# Altium PCB EPS_v1.PcbDoc (part 3 of 4)
Units mil, origin at the board's own origin, x right, y up, seen from the top; angles counter-clockwise.
Board outline 3775.2 x 3550 mil, 6 copper layers (Top Layer, GND1, PWR, Signal, GND2, Bottom Layer), stack 55.912 mil thick; 413 components, 280 nets, 1452 pads, 325 vias.
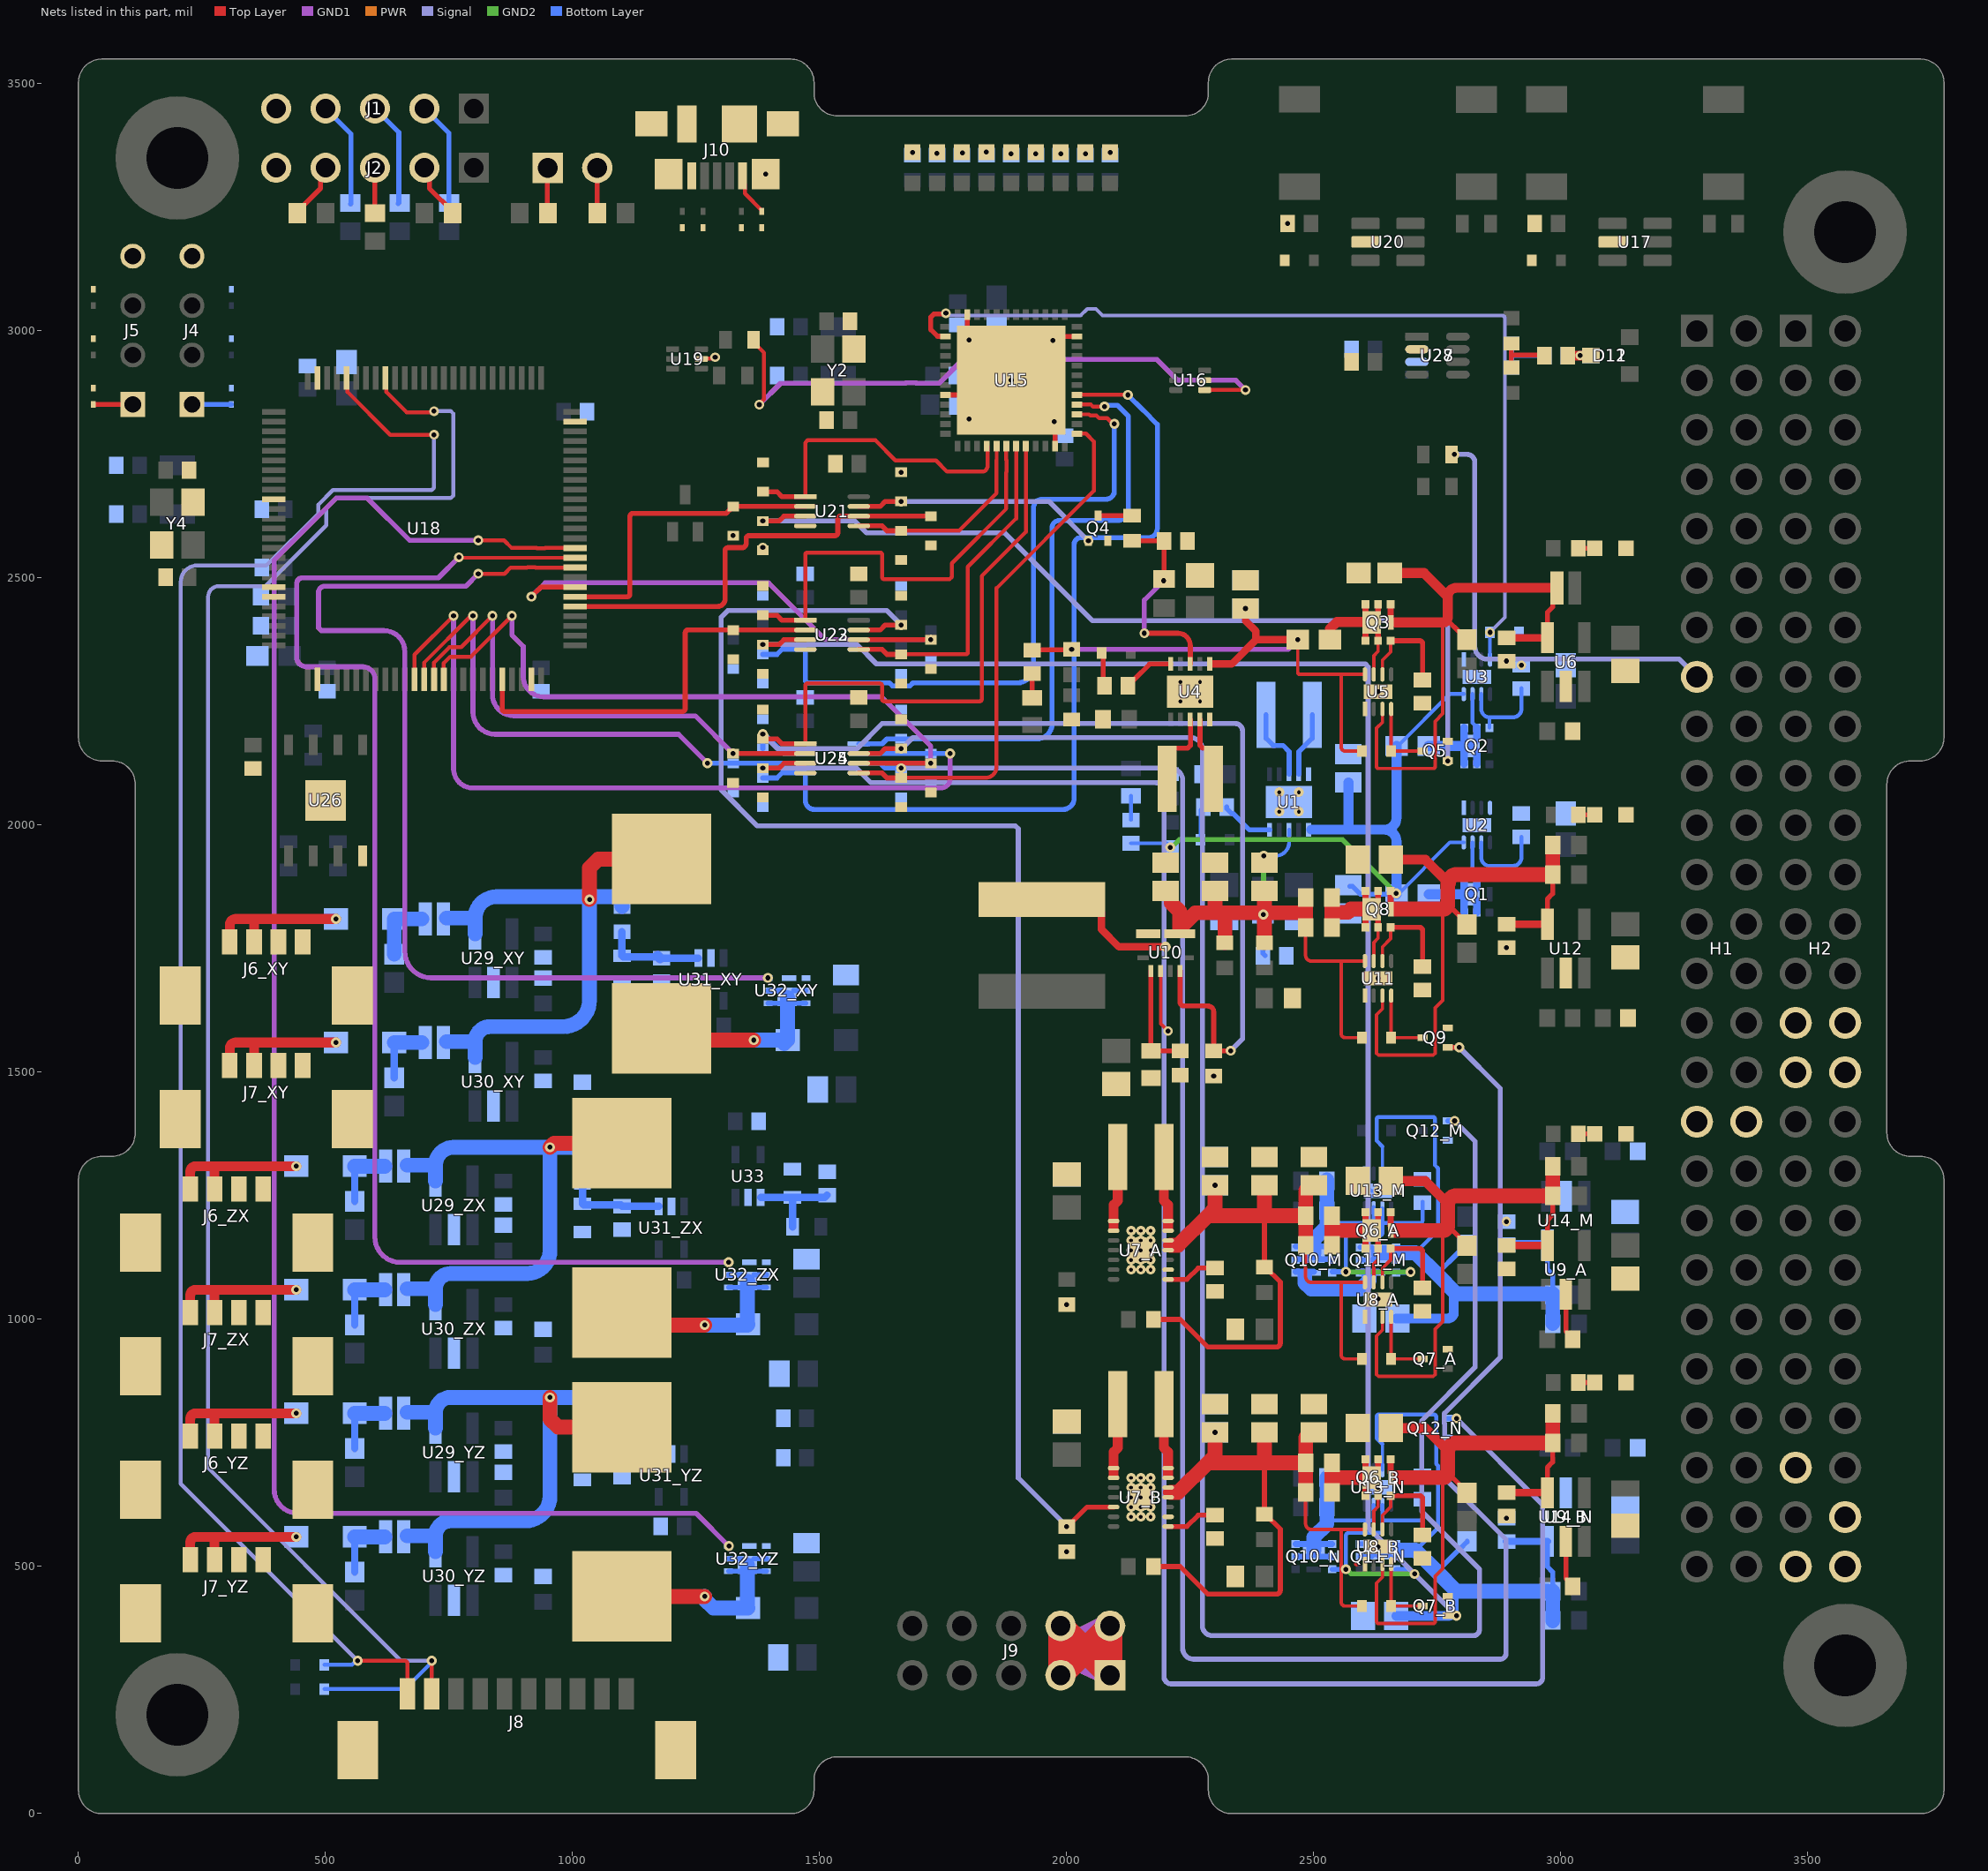
[diagram p7: the nets of this part, all layers, seen from the top]

## Via types
v1: diameter 20, hole 10, Top Layer to Signal, 73 vias
v2: diameter 20, hole 10, Top Layer to Bottom Layer, 52 vias
v3: diameter 20, hole 10, Top Layer to GND1, 48 vias
v4: diameter 19.68, hole 7.87, Top Layer to Bottom Layer, 38 vias
v5: diameter 20, hole 10, Signal to Bottom Layer, 27 vias
v6: diameter 19, hole 10, Top Layer to GND1, 20 vias
v7: diameter 20, hole 10, PWR to Bottom Layer, 18 vias
v8: diameter 20, hole 10, Top Layer to GND2, 12 vias
v9: diameter 20, hole 10, Top Layer to PWR, 11 vias
v10: diameter 20, hole 10, GND2 to Bottom Layer, 10 vias
v11: diameter 20, hole 10, GND1 to Bottom Layer, 9 vias
v12: diameter 19, hole 10, GND2 to Bottom Layer, 4 vias
v13: diameter 19, hole 10, Top Layer to Bottom Layer, 3 vias

## Nets (pads, with @x,y where several pads share a name; then routed paths per layer and width w, separated by ;. In a path a pad name is that pad's centre, name@x,y a point inside that pad or via, vN(x,y) a via of type N, cw(c..) or ccw(c..) an arc to the next point about the centre after c; other vN are vias at no path point) (continued)
EN_3V3_1_SR: R88.2 U15.27 U22.5 | length 1364.7
  Top Layer w8: U15.27@2020.47,2831.1 2045.37,2831.1 2047.55,2828.92 2059.9,2828.92 2065.35,2823.47 2081.55,2823.47 2093.17,2811.85 v2(2096.42,2811.85)
  Bottom Layer w10: R88.2@1385,2345.47 1413.64,2345.47 1423.64,2355.47 U22.5@1470.83,2355.47 1470.83,2293.74 ccw(c1476.69,2293.74) 1476.69,2287.89 1641.06,2287.89 1647.18,2281.76 1682.82,2281.76 1688.94,2287.89 1900.52,2287.89 ccw(c1900.52,2320.09) 1932.72,2320.09 1932.72,2641.35 cw(c1950.92,2641.35) 1950.92,2659.55 2079.57,2659.55 ccw(c2079.57,2676.39) 2096.42,2676.39 v2(2096.42,2811.85)
EN_3V3_2: Q7_B.1 R97.2 U23.3 | length 3345
  Top Layer w10: v1(1385,2365.16) 1417.57,2365.16 1427.57,2375.16 U23.3@1470.83,2375.16 ; Q7_B.1@2770.98,400.31 v1(2788.56,400.31)
  Signal w10: v1(1385,2365.16) 1575.81,2365.16 1614.83,2326.14 2604.08,2326.14 2609.94,2320.28 2609.94,578.93 v1(2788.56,400.31)
EN_3V3_2_BUCK: R25_B.2 R96.2 U7_B.12 U23.7 | length 3016.6
  Top Layer w10: U23.7@1579.17,2394.84 1622.43,2394.84 1632.43,2404.84 v1(1665,2404.84) ; R25_B.2@2002.08,580.94 2041.45,620.31 U7_B.12@2094.88,620.31
  Signal w10: v1(1665,2404.84) 1635.63,2434.21 1314.23,2434.21 1300.59,2420.57 1300.59,2071.69 1373.67,1998.6 1895.94,1998.6 1901.8,1992.74 1901.8,679.14 v1(2000,580.94)
EN_3V3_2_BUCK_EPS: R93.2 U18.46 U23.2 | length 836.3
  Top Layer w10: U18.46@857.48,2294.88 857.48,2235.66 ccw(c863.34,2235.66) 863.34,2229.8 1221.98,2229.8 ccw(c1221.98,2235.66) 1227.83,2235.66 1227.83,2388.98 cw(c1233.69,2388.98) 1233.69,2394.84 R93.2@1325,2394.84 ; R93.2@1324.59,2394.84 U23.2@1470.83,2394.84
EN_3V3_2_BUCK_SR: R92.2 U15.18 U23.1 | length 884.6
  Top Layer w8: U23.1@1470.83,2414.53 1470.83,2546.88 cw(c1475.52,2546.88) 1475.52,2551.57 1621.67,2551.57 cw(c1621.67,2546.88) 1626.36,2546.88 1626.36,2502.05 ccw(c1631.05,2502.05) 1631.05,2497.36 1762.64,2497.36 1767.32,2502.05 1767.32,2529.72 1877.76,2640.16 1877.76,2714.1 1877.93,2714.27 1877.93,2738.43 1877.76,2738.6 U15.18@1877.76,2767.13
  Top Layer w10: R92.2@1385,2424.53 1413.64,2424.53 1423.64,2414.53 U23.1@1470.83,2414.53
EN_3V3_2_EPS: R95.2 U18.57 U23.6 | length 1110.8
  Top Layer w10: v3(916.54,2462.2) 936.22,2481.89 U18.57@1005.12,2481.89 ; U23.6@1579.17,2375.16 R95.2@1725.41,2375.16
  GND1 w10: v3(916.54,2462.2) 944.64,2490.31 1046.61,2490.31 1396.6,2490.31 1511.75,2375.16 v3(1725,2375.16)
EN_3V3_2_SR: R94.2 U15.19 U23.5 | length 684.9
  Top Layer w8: R94.2@1665,2345.47 1795.2,2345.47 ccw(c1795.2,2350.16) 1799.89,2350.16 1799.89,2522.75 1897.44,2620.3 U15.19@1897.44,2767.13
  Top Layer w10: U23.5@1579.17,2355.47 1626.36,2355.47 1636.36,2345.47 R94.2@1665,2345.47
EN_5V: Q9.1 R103.2 U24.3 | length 4485.6
  Top Layer w10: Q9.1@2770.98,1550.31 v1(2794.23,1550.31)
  Signal w10: v5(1665,2115.16) 2210,2115.16 cw(c2210,2090.51) 2234.65,2090.51 2234.65,334.35 ccw(c2256.59,334.35) 2256.59,312.4 2876.96,312.4 ccw(c2876.96,324.51) 2889.06,324.51 2889.06,554.52 2764.56,679.03 2764.56,789.04 2764.06,789.54 2764.06,809.83 2876.96,922.73 2876.96,1467.59 v1(2794.23,1550.31)
  Bottom Layer w10: U24.3@1579.17,2125.16 1622.43,2125.16 1632.43,2115.16 v5(1665,2115.16)
EN_5V_BOOST: R36.1 R102.2 U10.7 U24.7 | length 2056.3
  Top Layer w10: U10.7@2229.53,1704.72 2229.53,1641.85 ccw(c2237.42,1641.85) 2237.42,1633.96 2285.65,1633.96 cw(c2285.65,1622.24) 2297.36,1622.24 R36.1@2297.36,1543.46 v1(2331.81,1543.46)
  Signal w10: v5(1385,2184.37) 1414.53,2154.84 1575.81,2154.84 1626.34,2205.37 2341.17,2205.37 cw(c2341.17,2190.83) 2355.71,2190.83 2355.71,1567.36 v1(2331.81,1543.46)
  Bottom Layer w10: R102.2@1385,2154.84 v5(1385,2184.37) 1387.71,2184.37 1392.89,2179.18 1393.23,2179.18 1427.57,2144.84 U24.7@1470.83,2144.84
EN_5V_BOOST_EPS: R99.2 U18.37 U24.2 | length 1742
  Top Layer w8: U18.37@680.32,2294.88 680.32,2344.82 v3(759.06,2423.56)
  GND1 w10: v3(759.06,2423.56) 759.06,2114.37 ccw(c798.43,2114.37) 798.43,2075 1744.64,2075 ccw(c1744.64,2094.34) 1763.98,2094.34 v11@1763.98,2143.87
  Bottom Layer w10: U24.2@1579.17,2144.84 R99.2@1725,2144.84 v11@1762.68,2144.84
  other v11: 1763.98,2144.84
EN_5V_BOOST_SR: R98.2 U15.28 U24.1 | length 1289.6
  Top Layer w8: U15.28@2020.47,2850.79 2049.17,2850.79 2052.99,2846.97 v2(2076.38,2846.97)
  Bottom Layer w10: U24.1@1579.17,2164.53 1626.36,2164.53 1636.36,2174.53 R98.2@1665,2174.53 1939.8,2174.53 ccw(c1939.8,2205.13) 1970.4,2205.13 1970.4,2601.77 cw(c1985.15,2601.77) 1985.15,2616.52 2102.52,2616.52 ccw(c2102.52,2638.81) 2124.8,2638.81 2124.8,2827.14 2102.38,2849.56 2094.38,2849.56 2094.09,2849.27 2078.67,2849.27 v2(2076.38,2846.97)
EN_5V_EPS: R101.2 U18.38 U24.6 | length 1088.3
  Top Layer w5: v3@792.42,2421.61 794.37,2423.56 v3(798.43,2423.56)
  Top Layer w8: U18.38@700,2294.88 700,2329.19 v3@792.42,2421.61
  GND1 w10: v3@798.42,2423.03 798.42,2229.04 ccw(c843.65,2229.04) 843.65,2183.8 1214.38,2183.8 v11(1273.02,2125.16)
  Bottom Layer w10: v11@1273.11,2125.16 U24.6@1470.83,2125.16
EN_5V_SR: R100.2 U15.29 U24.5 | length 1811.4
  Top Layer w8: U15.29@2020.47,2870.47 v1(2123.62,2870.47)
  Bottom Layer w10: R100.2@1385,2095.47 1413.64,2095.47 1423.64,2105.47 U24.5@1470.83,2105.47 1470.83,2050.2 ccw(c1489.27,2050.2) 1489.27,2031.76 1992.23,2031.76 ccw(c1992.23,2054.7) 2015.17,2054.7 2015.17,2568.57 cw(c2028.19,2568.57) 2028.19,2581.59 2164.85,2581.59 ccw(c2164.85,2599.95) 2183.22,2599.95 2183.22,2810.92 2154.23,2839.91 ; v1(2123.62,2870.47) 2154.18,2839.91
  other v5: 2123.62,2870.47
EN_MCU_3V3: Q5.1 R85.2 U21.3 | length 1841.1
  Top Layer w10: v1(1385,2615.16) 1417.57,2615.16 1427.57,2625.16 U21.3@1470.83,2625.16 ; Q5.1@2770.98,2130.31 v1(2771.4,2129.92)
  Signal w10: v1@1380.84,2615.16 v1(1385,2615.16) 1571.21,2615.16 1595.21,2591.16 1874.56,2591.16 2051.95,2413.77 2754.56,2413.77 cw(c2754.56,2396.93) 2771.4,2396.93 v1(2771.4,2129.92)
EN_MCU_3V3_EPS: R83.2 U18.55 U21.6 | length 882.9
  Top Layer w10: U18.55@1005.12,2442.52 1293.72,2442.52 ccw(c1293.72,2457.3) 1308.5,2457.3 1308.5,2555.59 cw(c1314.36,2555.59) 1314.36,2561.44 1342.82,2561.44 ccw(c1342.82,2569.94) 1351.31,2569.94 1351.31,2579.77 cw(c1357.17,2579.77) 1357.17,2585.63 1530.79,2585.63 ccw(c1530.79,2591.49) 1536.64,2591.49 1536.64,2619.3 cw(c1542.5,2619.3) 1542.5,2625.16 U21.6@1579.17,2625.16 R83.2@1725.41,2625.16
EN_MCU_3V3_SR: R82.2 U15.17 U21.5 | length 410
  Top Layer w7.5: 1858.07,2738.43 U15.17@1858.07,2767.13
  Top Layer w8: R82.2@1665,2595.47 1781.74,2595.47 1858.07,2671.8 1858.07,2738.43
  Top Layer w10: U21.5@1579.17,2605.47 1626.36,2605.47 1636.36,2595.47 R82.2@1665,2595.47
EN_MCU_BUCK: Q4.1 R84.2 U21.7 | length 501.8
  Top Layer w10: U21.7@1579.17,2644.84 1622.43,2644.84 1632.43,2654.84 v1(1665,2654.84)
  Signal w10: v1(1665,2654.84) 1776.16,2654.84 1964.18,2654.84 v1(2043.84,2575.18)
EN_MCU_BUCK_EPS: R81.2 U18.56 U21.2 | length 636.2
  Top Layer w10: U18.56@1005.12,2462.2 1110.24,2462.2 ccw(c1110.24,2468.06) 1116.1,2468.06 1116.1,2624.84 cw(c1121.96,2624.84) 1121.96,2630.7 1310.86,2630.7 1318.19,2638.03 1318.19,2640 1323.03,2644.84 U21.2@1470.83,2644.84
EN_MCU_BUCK_SR: R80.2 U15.16 U21.1 | length 644.1
  Top Layer w8: U21.1@1470.83,2664.53 1470.83,2773.94 1475.52,2778.62 1612.63,2778.62 1653.46,2737.8 1735.28,2737.8 1757.88,2715.2 1828.71,2715.2 ccw(c1828.71,2726.06) 1839.57,2726.06 1839.57,2765.94 U15.16@1838.39,2767.13
  Top Layer w10: R80.2@1385,2674.53 1413.64,2674.53 1423.64,2664.53 U21.1@1470.83,2664.53
EN_UNREG1: Q12_M.1 R108.2 U25.7 | length 4231.9
  Top Layer w10: U25.7@1579.17,2144.84 1622.43,2144.84 1632.43,2154.84 v1(1665,2154.84)
  Signal w10: v1(1665,2154.84) 1666.5,2154.84 1688.8,2177.14 2250.39,2177.14 cw(c2250.39,2152.8) 2274.72,2152.8 2274.72,380 ccw(c2294.72,380) 2294.72,360 2822.6,360 ccw(c2822.6,372.78) 2835.39,372.78 2835.39,494.62 2718.1,611.91 2718.1,794.89 2826.2,902.99 2826.2,1360.38 v5(2784.92,1401.65)
  Bottom Layer w10: Q12_M.1@2770.98,1401.65 v5@2788.56,1401.65
EN_UNREG1_EPS: R105.2 U18.39 U25.2 | length 1243.5
  Top Layer w8: U18.39@719.68,2294.88 719.68,2329.08 751,2360.39 774.63,2360.39 v3(837.8,2423.56)
  Top Layer w10: v3(1324.59,2144.84) U25.2@1470.83,2144.84
  GND1 w10: v3(837.8,2423.56) 837.8,2264.4 ; v3(1324.59,2144.84) 1248.23,2221.2 881,2221.2 ; 837.8,2264.4 ccw(c881,2264.4) 881,2221.2 ; 837.8,2264.4 ccw(c881,2264.4) 881,2221.2 ; 837.8,2264.4 ccw(c881,2264.4) 881,2221.2 ; 837.8,2264.4 ccw(c881,2264.4) 881,2221.2
EN_UNREG1_SR: R104.2 U15.20 U25.1 | length 1151.7
  Top Layer w8: U25.1@1470.83,2164.53 1470.83,2282.2 cw(c1475.52,2282.2) 1475.52,2286.89 1621.67,2286.89 cw(c1621.67,2282.2) 1626.36,2282.2 1626.36,2255 ccw(c1631.05,2255) 1631.05,2250.32 1823.19,2250.32 ccw(c1823.19,2255) 1827.87,2255 1827.87,2503.88 1917.13,2593.13 U15.20@1917.13,2767.13
  Top Layer w10: R104.2@1385,2174.53 1413.64,2174.53 1423.64,2164.53 U25.1@1470.83,2164.53
EN_UNREG2: Q12_N.1 R109.2 U25.3 | length 4110.9
  Top Layer w10: v1(1385,2115.16) 1417.57,2115.16 1427.57,2125.16 U25.3@1470.83,2125.16
  Signal w10: v1(1385,2115.16) 1574.6,2115.16 1603.97,2085.79 2178.71,2085.79 cw(c2178.71,2067.85) 2196.65,2067.85 2196.65,277.37 ccw(c2211.53,277.37) 2211.53,262.5 2950.11,262.5 ccw(c2950.11,275.44) 2963.06,275.44 2963.06,625.19 v5(2788.56,799.68)
  Bottom Layer w10: Q12_N.1@2770.98,799.68 v5(2788.56,799.68)
EN_UNREG2_EPS: R107.2 U18.40 U25.6 | length 1413
  Top Layer w8: U18.40@739.37,2294.88 739.37,2327.75 752.45,2340.84 794.44,2340.84 v3(877.17,2423.56)
  Top Layer w10: U25.6@1579.17,2125.16 R107.2@1725.41,2125.16
  GND1 w10: v3(877.17,2423.56) 877.17,2384.66 900.1,2361.73 900.1,2300.97 ccw(c941.37,2300.97) 941.37,2259.7 1046.61,2259.7 1624.88,2259.7 1725,2159.58 v3(1725,2125.16)
EN_UNREG2_SR: R106.2 U15.25 U25.5 | length 1074.2
  Top Layer w8: R106.2@1665,2095.47 1834.89,2095.47 ccw(c1834.89,2118.66) 1858.07,2118.66 1858.07,2479.49 2054.62,2676.04 2054.62,2776.21 2046.91,2783.92 2046.91,2784.3 2039.2,2792.01 U15.25@2022.43,2792.01
  Top Layer w10: U25.5@1579.17,2105.47 1626.36,2105.47 1636.36,2095.47 R106.2@1665,2095.47
EPS_2_OBC: H1.15 R66.1 | length 902
  Signal w10: v1(2784.45,2750) 2810.1,2750 cw(c2810.1,2734.35) 2825.75,2734.35 2825.75,2361.48 ccw(c2851.23,2361.48) 2851.23,2336 3239.2,2336 H1.15@3275.2,2300
EPS_2_SR: R65.1 U16.1 | length 1274.4
  Top Layer w8: R65.1@1366.32,2981.9 1366.32,2976.98 1387.26,2956.04 1387.26,2861.47 1377.81,2852.03 v3(1377.81,2850.79) ; U16.1@2279.13,2880.31 v3(2361.73,2880.31)
  GND1 w10: v3(1377.81,2850.79) 1421.12,2894.09 1673.82,2894.09 1674.69,2894.97 1694.99,2894.97 1695.51,2894.45 1695.87,2894.09 1741.81,2894.09 1789.92,2942.2 2049.17,2942.2 2182.35,2942.2 2224.55,2900 2342.04,2900 v3(2361.73,2880.31)
GND: C1.1 C2.1 C3.2 C6.2 C7.2 C8.2 C9.2 C10.2 C11.2 C12.1 C13.1 C14.2 C17.2 C18.2 C19.2 C20.2 C21.2 C22.1 C23_A.1 C23_B.1 C24_A.1 C24_B.1 C25_A.2 C25_B.2 C26_A.2 C26_B.2 C27_A.2 C27_B.2 C28_A.2 C28_B.2 C29_A.2 C29_B.2 C30_A.2 C30_B.2 C31_A.1 C31_B.1 C32_A.2 C32_B.2 C33_A.1 C33_B.1 C34.1 C35.1 C36.1 C37.2 C38.2 C39.2 C40.2 C41.1 C42.2 C43.1 C44_M.2 C44_N.2 C45_M.1 C45_N.1 C46_M.2 C46_N.2 C47_M.1 C47_N.1 C48.2 C49.2 C50.2 C51.1 C52.2 C53.2 C54.2 C55.2 C56.2 C57.2 C58.2 C59.2 C60.2 C61.2 C62.2 C63.2 C64.2 C65.2 C66.2 C67.2 C68.2 C69.2 C70.2 C71.2 C72.1 C73.1 C74.1 C75.1 C77.1 C78.2 C79.2 C80.2 C81.2 C82.2 C83_XY.2 C83_YZ.2 C83_ZX.2 C85_XY.2 C85_YZ.2 C85_ZX.2 C87_XY.2 C87_YZ.2 C87_ZX.2 C88.2 C89.2 C90.2 C91.2 C92.2 C93.2 C94.2 C95.2 C96.2 C97.2 C98.2 C104_XY.2 C104_YZ.2 C104_ZX.2 D6.2 D7.2 D8.2 D10.1 D11.3 D12.3 D17.2 D18.2 D19.2 D20.2 D21.2 D22.2 D23.2 D25.1 D26.1 D27.1 H1.33 H1.34 H2.29 H2.30 H2.31 H2.32 H2.50 H2.52 J1.5 J2.5 J4.4 J5.4 J6_XY.3 J6_XY.4 J6_XY.5 J6_XY.6 J6_YZ.3 J6_YZ.4 J6_YZ.5 J6_YZ.6 J6_ZX.3 J6_ZX.4 J6_ZX.5 J6_ZX.6 J7_XY.3 J7_XY.4 J7_XY.5 J7_XY.6 J7_YZ.3 J7_YZ.4 J7_YZ.5 J7_YZ.6 J7_ZX.3 J7_ZX.4 J7_ZX.5 J7_ZX.6 J8.11 J8.12 J9.1 J9.2 J9.3 J9.4 J10.5 J10.6 J10.7 J10.8 J10.9 J10.10 J10.11 Q4.2 Q5.2 Q7_A.2 Q7_B.2 Q9.2 Q12_M.2 Q12_N.2 R2.1 R5.1 R9.2 R12.1 R15.1 R24.2 R25_A.1 R25_B.1 R27_A.1 R27_B.1 R35_A.2 R35_B.2 R36.2 R37.1 R39.1 R48.2 R57_M.2 R57_N.2 R60.1 R67.1 R80.1 R81.1 R82.1 R83.1 R84.1 R85.1 R86.1 R87.1 R88.1 R89.1 R90.1 R91.1 R92.1 R93.1 R94.1 R95.1 R96.1 R97.1 R98.1 R99.1 R100.1 R101.1 R102.1 R103.1 R104.1 R105.1 R106.1 R107.1 R108.1 R109.1 R119_XY.2 R119_YZ.2 R119_ZX.2 R122_XY.2 R122_YZ.2 R122_ZX.2 R124_XY.2 R124_YZ.2 R124_ZX.2 R126.2 U1.5 U1.11 U2.1 U2.4 U2.9 U3.1 U3.9 U4.5 U4.11 U5.1 U5.9 U6.2 U7_A.2 U7_A.15 U7_B.2 U7_B.15 U8_A.1 U8_A.9 U8_B.1 U8_B.9 U9_A.2 U9_B.2 U10.1 U10.5 U11.1 U11.9 U12.2 U13_M.1 U13_M.9 U13_N.1 U13_N.9 U14_M.2 U14_N.2 U15.8 U15.23 U15.35 U15.47 U15.49 U16.2 U17.2 U18.10 U18.19 U18.20 U18.27 U18.49 U18.74 U18.99 U19.2 U20.2 U21.4 U22.4 U23.4 U24.4 U25.4 U26.4 U26.9 U27.2 U28.2 U29_XY.2 U29_YZ.2 U29_ZX.2 U30_XY.2 U30_YZ.2 U30_ZX.2 U31_XY.2 U31_YZ.2 U31_ZX.2 U32_XY.4 U32_XY.7 U32_YZ.4 U32_YZ.7 U32_ZX.4 U32_ZX.7 U33.2 Y2.2 Y2.4 Y4.2 Y4.4 | length 2955.1
  Top Layer w7.5: U10.5@2190.16,1704.72 2190.16,1598.25 v6(2205.16,1583.25)
  Top Layer w8: U19.2@1260.61,2943.43 1260.89,2943.7 1282.76,2943.7 1285.61,2946.56 v13(1288.59,2946.56)
  Top Layer w10: U15.8@1754.73,2870.47 1858.07,2870.47 v6(1887.6,2900) ; U15.47@1799.02,3032.87 1799.02,2985.53 v6(1802.64,2981.9) ; v6(1971.78,2980.78) 1979.58,2988.58 U15.35@2020.47,2988.58 ; v6(1974.82,2816.2) 1976.18,2814.84 U15.23@1976.18,2767.13 ; U9_B.2@3010,550.79 3010,475.81 3023.82,461.99 R35_B.2@3023.82,460 ; U9_A.2@3010,1050.79 3010,975.81 3023.82,961.99 R35_A.2@3023.82,960
  Top Layer w20: C82.2@3013.62,2950 D12.3@3060.63,2950
  Top Layer w50: J9.3@1987.6,280 J9.2@2087.6,380 J9.1@2087.6,280 J9.4@1987.6,380 J9.3@1987.6,280
  GND1 w50: J9.3@1987.6,280 1987.6,330 ; J9.4@1987.6,380 1987.6,330 ; J9.1@2087.6,280 2081.69,285.91 1987.6,330 ; J9.2@2087.6,380 1987.6,330
  GND2 w50: J9.3@1987.6,280 1987.6,330 ; J9.4@1987.6,380 1987.6,330 ; J9.1@2087.6,280 2081.69,285.91 1987.6,330 ; J9.2@2087.6,380 1987.6,330
  PWR w50: J9.3@1987.6,280 1987.6,330 ; J9.4@1987.6,380 1987.6,330 ; J9.1@2087.6,280 2081.69,285.91 1987.6,330 ; J9.2@2087.6,380 1987.6,330
  Signal w50: J9.3@1987.6,280 1987.6,330 ; J9.4@1987.6,380 1987.6,330 ; J9.1@2087.6,280 2081.69,285.91 1987.6,330 ; J9.2@2087.6,380 1987.6,330
  Bottom Layer w7.5: U13_N.1@2603.43,694.96 2603.51,694.87 2603.51,677.55 2604.81,676.25 2604.81,670.82 2615.63,660 v12(2630,660) ; U13_M.1@2603.43,1294.96 2603.51,1294.87 2603.51,1277.55 2604.81,1276.25 2604.81,1270.82 2615.63,1260 v12(2630,1260)
  Bottom Layer w10: C80.2@3013.62,2950 D11.3@3060.63,2950
  Bottom Layer w50: J9.3@1987.6,280 1987.6,330 ; J9.4@1987.6,380 1987.6,330 ; J9.1@2087.6,280 2081.69,285.91 1987.6,330 ; J9.2@2087.6,380 1987.6,330
  other v4: 2130.32,600.63 2150,600.63 2169.68,600.63 2130.32,620.31 2150,620.31 2169.68,620.31 2130.32,640 2150,640 2169.68,640 2130.32,659.68 2150,659.68 2169.68,659.68 2130.32,679.37 2150,679.37 2169.68,679.37 2130.32,1100.63 2150,1100.63 2169.68,1100.63 2130.32,1120.31 2150,1120.31 2169.68,1120.31 2130.32,1140 2150,1140 2169.68,1140 2130.32,1159.68 2150,1159.68 2169.68,1159.68 2130.32,1179.37 2150,1179.37 2169.68,1179.37 2430.31,2027.22 2469.68,2027.22 2430.31,2066.59 2469.68,2066.59 2230.31,2250.32 2269.68,2250.32 2230.31,2289.69 2269.68,2289.69
  other v6: 2000,529.7 2630,540 2000,1029.7 2630,1041.34 2297.36,1492.22 2630,1690 2890,1751.97 2630,2270 2890,2331.97 1385,2561.63 1325,2585.79 1665,2713.9 1802.64,2821.54 2447.24,3217.4 1390.43,3317.4
  other v12: 2890,1198.03 2920,2323.62
  other v13: 2890,598.03 3038.98,2950
I2C1_SCL: J8.2 R128.1 U18.92 | length 3641.5
  Top Layer w8: U18.92@621.26,2905.12 623.04,2903.34 623.04,2876.53 664.06,2835.5 717.59,2835.5 v1(719.68,2837.59) ; J8.2@714.76,242.39 v2(714.76,309.4)
  Signal w8: v2(714.76,309.4) 652.47,309.4 262.5,699.37 262.5,2462.2 cw(c283.56,2462.2) 283.56,2483.26 325.83,2483.26 378.34,2483.26 501.69,2606.61 501.69,2641.73 521.75,2661.78 753.61,2661.78 758.3,2666.47 758.3,2832.9 753.61,2837.59 v1(719.68,2837.59)
  Bottom Layer w8: R128.1@497.77,251.79 660.39,251.79 714.76,306.15 v2(714.76,309.4)
I2C1_SDA: J8.1 R129.1 U18.96 | length 3521.6
  Top Layer w8: U18.96@542.52,2905.12 544.3,2903.34 544.3,2876.53 631.02,2789.8 v1(719.68,2789.8) ; v2(565.15,309.4) 659.65,309.4 cw(c659.65,303.51) 665.54,303.51 J8.1@665.54,242.39
  Signal w8: v2(565.15,309.4) 207.1,667.45 207.1,2492.1 cw(c240.39,2492.1) 240.39,2525.39 325.83,2525.39 380.2,2525.39 485.69,2630.88 485.69,2648.36 515.12,2677.78 715,2677.78 719.68,2682.47 v1(719.68,2789.8)
  Bottom Layer w8: R129.1@497.77,301 497.97,301.2 553.7,301.2 561.9,309.4 v2(565.15,309.4)
KS_OPEN: H2.51
Mppt_PWM1: U18.59 U32_XY.3 | length 2187.3
  Top Layer w8: v1(809.02,2508.62) 862.3,2508.62 874.94,2521.26 907.94,2521.26 908.25,2521.57 924.82,2521.57 925.13,2521.26 U18.59@1005.12,2521.26
  GND1 w10: v1(809.02,2508.62) 783.66,2483.26 498.14,2483.26 ccw(c498.14,2470.9) 485.78,2470.9 485.78,2399.48 491.64,2393.62 617.98,2393.62 cw(c617.98,2351.2) 660.4,2351.2 660.4,1744.75 ccw(c714.15,1744.75) 714.15,1691 1392.8,1691 v11@1394.7,1689.1
  other v11: 1395.1,1691
Mppt_PWM2: U18.60 U32_ZX.3 | length 2794.6
  Top Layer w8: v1(770,2542) 771.06,2540.94 U18.60@1005.12,2540.94
  GND1 w10: v1(770,2542) 728.26,2500.26 453.03,2500.26 ccw(c453.03,2489.01) 441.78,2489.01 441.78,2339.46 ccw(c460.77,2339.46) 460.77,2320.47 575.33,2320.47 cw(c575.33,2296.1) 599.7,2296.1 599.7,1167.1 ccw(c651.6,1167.1) 651.6,1115.2 1315.48,1115.2 v11(1315.8,1115.52)
Mppt_PWM3: U18.61 U32_YZ.3 | length 3558.9
  Top Layer w8: v1(809.02,2576.38) 861.09,2576.38 876.85,2560.63 927.21,2560.63 927.52,2560.31 944.09,2560.31 944.41,2560.63 U18.61@1005.12,2560.63
  GND1 w10: v1(809.02,2576.38) 669.93,2576.38 584.53,2661.78 521.75,2661.78 395.94,2535.98 395.94,2253.39 395.94,656.16 ccw(c444.5,656.16) 444.5,607.6 1250.1,607.6 v11(1316.4,541.3)
nCubeReset: H2.47
nEN_EPS_3V3: R9.1 U3.4 U15.2 | length 1945.5
  Top Layer w7.5: U15.2@1754.2,2989.11 U15.2@1754.73,2988.58
  Top Layer w10: U15.2@1754.2,2989.11 1738.41,2989.11 1725,3002.52 1725,3028.06 1730.86,3033.91 1753.51,3033.91 v1(1755.43,3035.83)
  Signal w7.5: v1(1755.43,3035.83) 1758.81,3035.83 1763.5,3031.13 2028.05,3031.13 2041.66,3044.75 2049.17,3044.75 2058.8,3044.75 2072.42,3031.13 2880.76,3031.13 cw(c2880.76,3024.99) 2886.9,3024.99 2886.9,2420.33 v5(2856.57,2390)
  Bottom Layer w7.5: U3.4@2856.57,2334.96 v5(2856.57,2390)
NetC3_1: C3.1 R1.1 U1.8 | length 296.5
  GND2 w10: v10(2397.7,1819.1) 2398.25,1819.65 2398.25,1937.48 v10(2398.8,1938.03)
  Bottom Layer w7.5: v10(2398.8,1938.03) 2422.87,1938.03 ccw(c2422.87,1965.16) 2450,1965.16 U1.8@2450,1990.81
  Bottom Layer w10: R1.1@2397.12,1818.87 2397.12,1740.38 C3.1@2401.6,1735.9
NetC4_1: C4.1 U1.10 | length 108
  Bottom Layer w10: C4.1@2323.62,2036.59 2323.62,2033.64 2333.39,2023.88 2336.34,2023.88 2369.82,1990.4 U1.10@2410.8,1990.4
NetC4_2: C4.2 R3.1 | length 68.3
  Bottom Layer w7.5: R3.1@2270.47,1971.03 2270.47,2030.87 2276.3,2036.7 C4.2@2276.38,2036.59
NetC5_1: C5.1 C6.1 C7.1 R4.1 R7.1 R8.1 U1.6 U2.8 U3.8 | length 1620.6
  GND2 w10: v10(2209.6,1955) 2212.31,1955 2228.32,1971.01 2557.49,1971.01 2665.8,1862.7 v10@2667.5,1862.7
  Bottom Layer w7.5: C5.1@2130,1963.29 2202.21,1963.29 R4.1@2210.8,1954.7 ; R7.1@2670.32,1860 2775.35,1965.04 U2.8@2803.43,1965.04 ; R8.1@2670.32,2160.55 2775.35,2265.59 U3.8@2803.43,2265.59
  Bottom Layer w10: C6.1@2572.7,1876.5 2578.08,1876.5 2594.58,1860 R7.1@2667.44,1860
  Bottom Layer w20: 2495,1990.81 2569.13,1990.81 ; C7.1@2570,2086.58 2570,1991.68 2569.13,1990.81 ; R7.1@2667.44,1860 2667.44,1966.62 ccw(c2643.25,1966.62) 2643.25,1990.81 ; R8.1@2667.44,2160 2667.44,2015 cw(c2643.25,2015) 2643.25,1990.81 ; 2569.13,1990.81 2643.25,1990.81
  other v10: 2666.7,1861.8
NetC5_2: C5.2 R6.2 | length 48.8
  Bottom Layer w7.5: C5.2@2130,2010.53 R6.2@2130,2059.3
NetC8_1: C8.1 Q1.3 U2.6 | length 193.7